# Altium PCB DriverBoard.PcbDoc
Units mm, origin at the board's own origin, x right, y up, seen from the top; angles counter-clockwise.
Board outline 101.75 x 53.5 mm, 4 copper layers (Top Layer, Signal Layer 1, Signal Layer 2, Bottom Layer), stack 1.651 mm thick; 94 components, 76 nets, 338 pads, 125 vias.
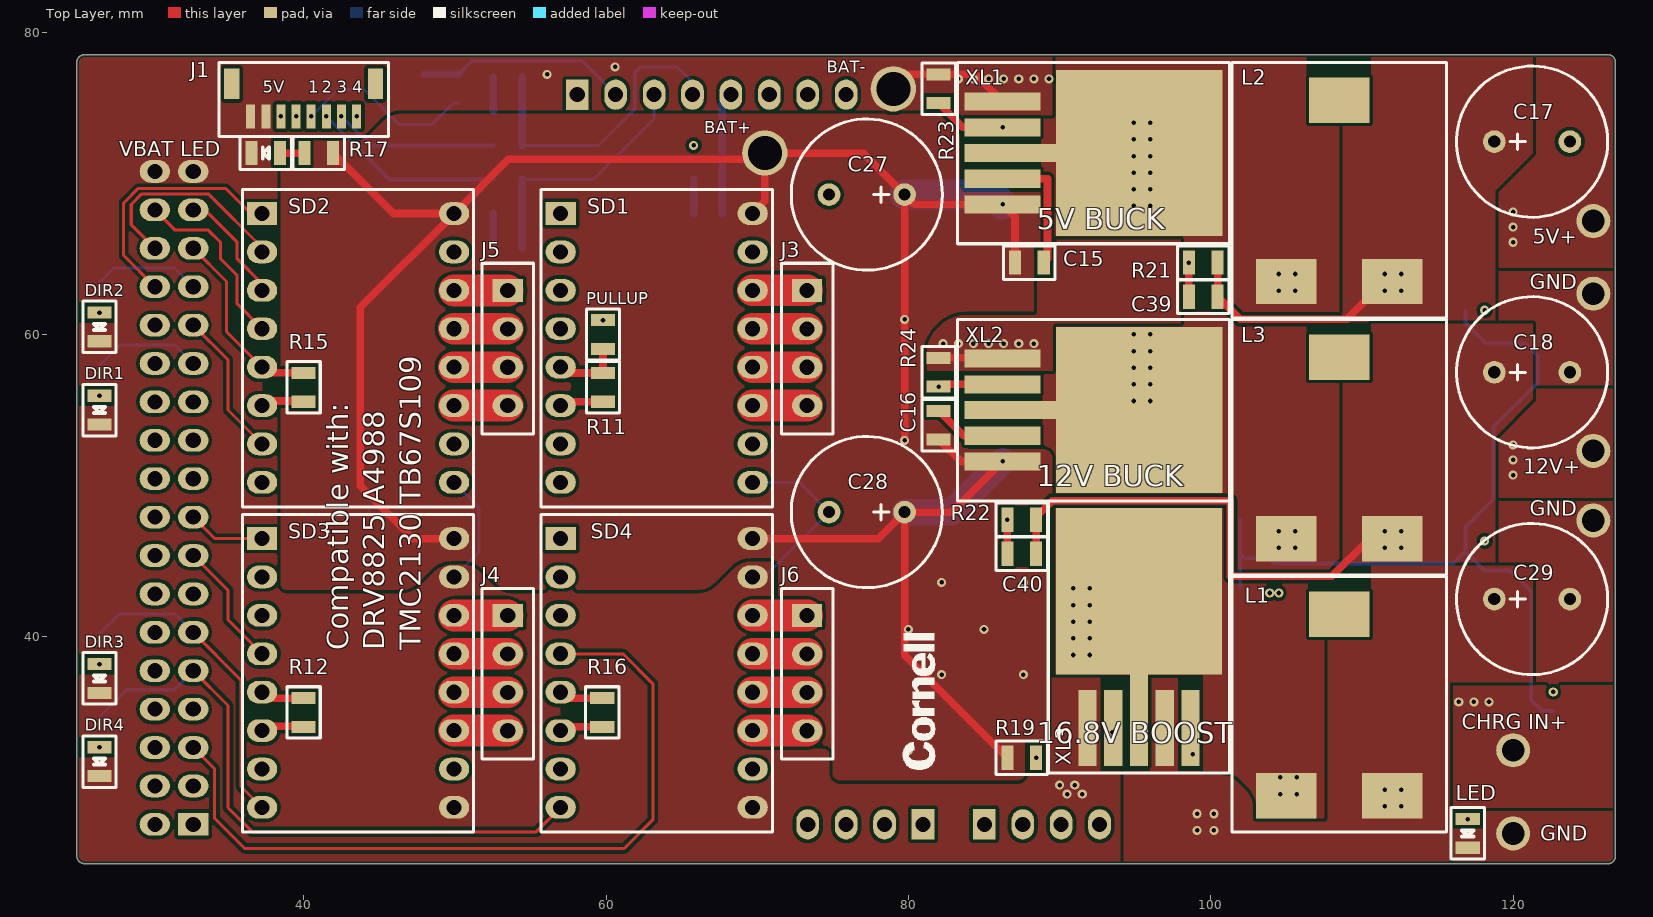
[diagram p0: Top Layer view]
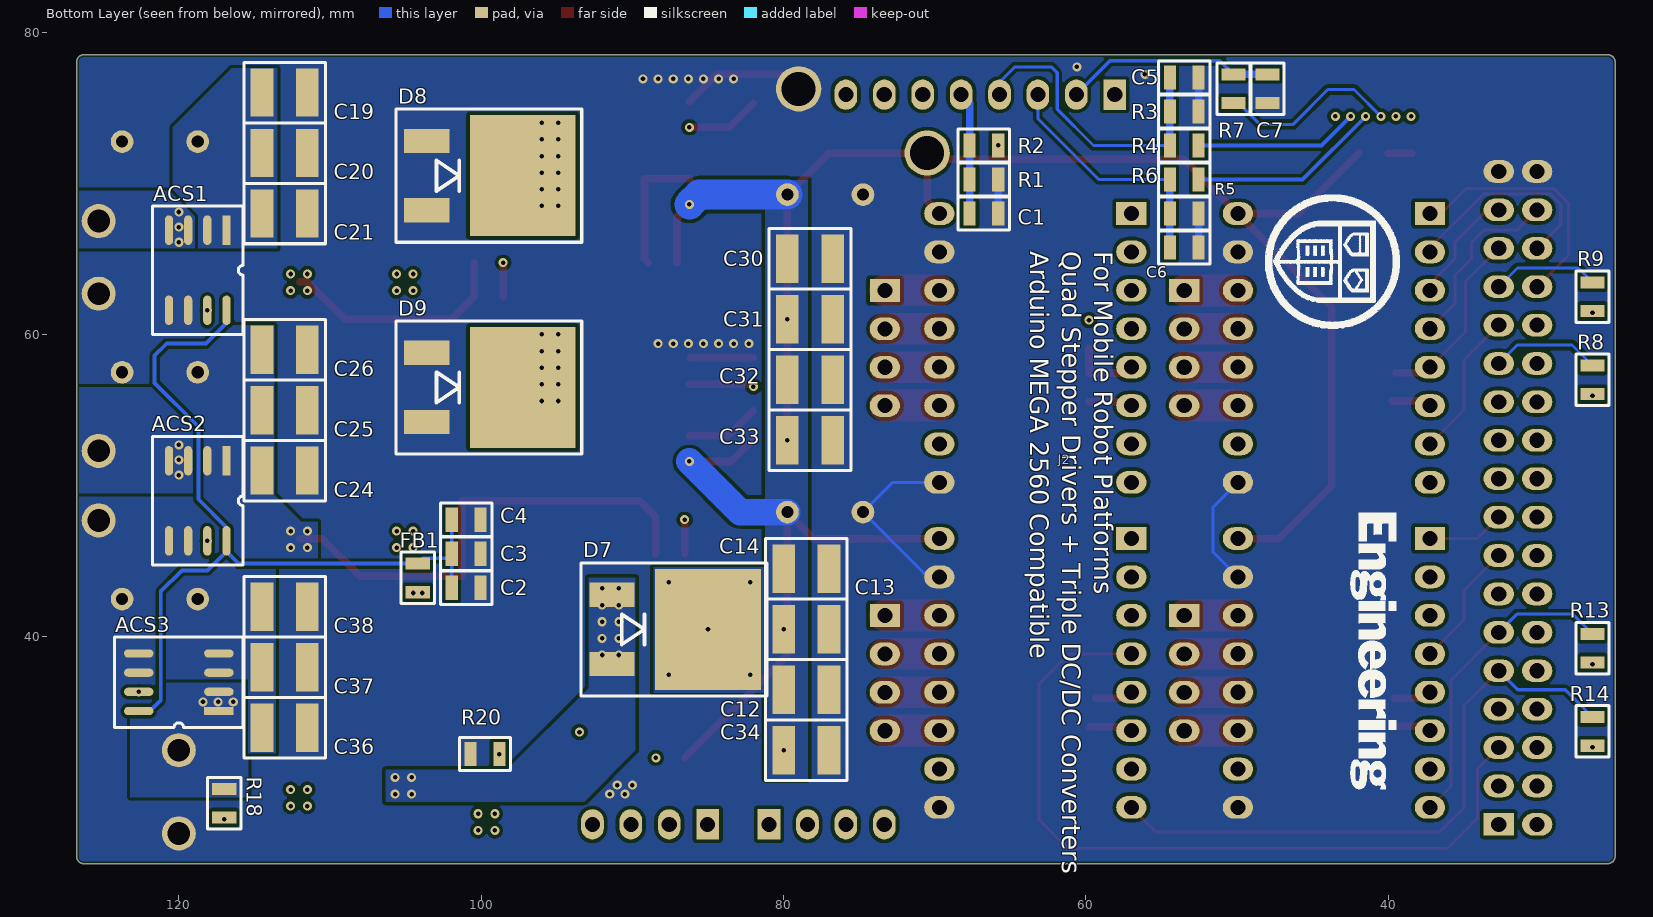
[diagram p1: Bottom Layer view, seen from below]
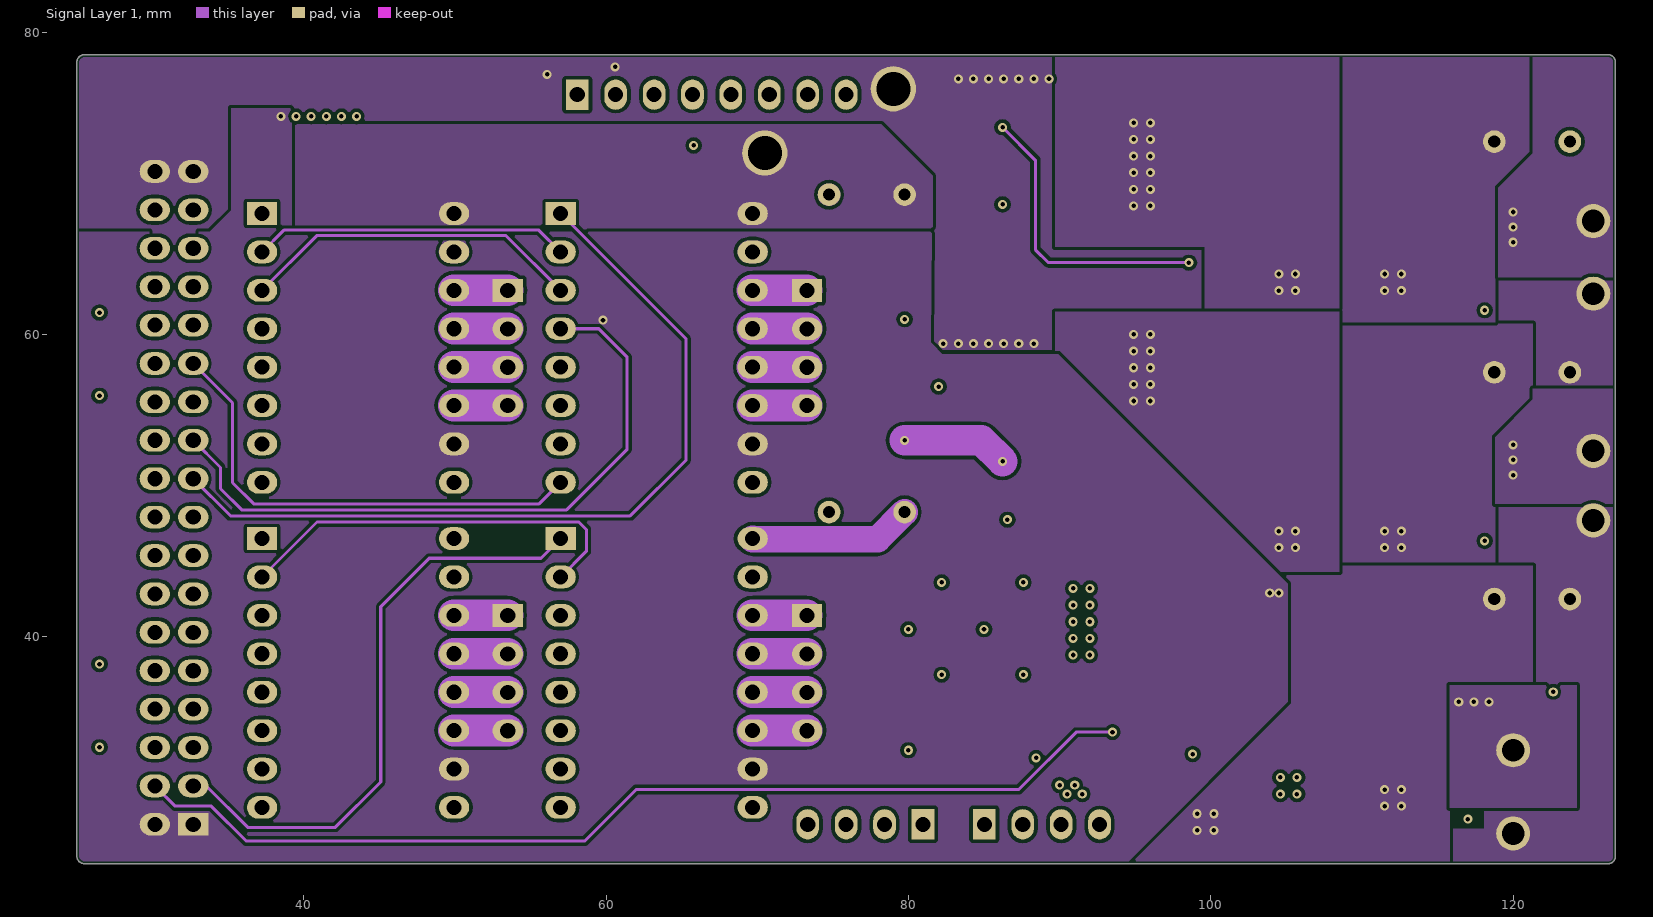
[diagram p2: Signal Layer 1]
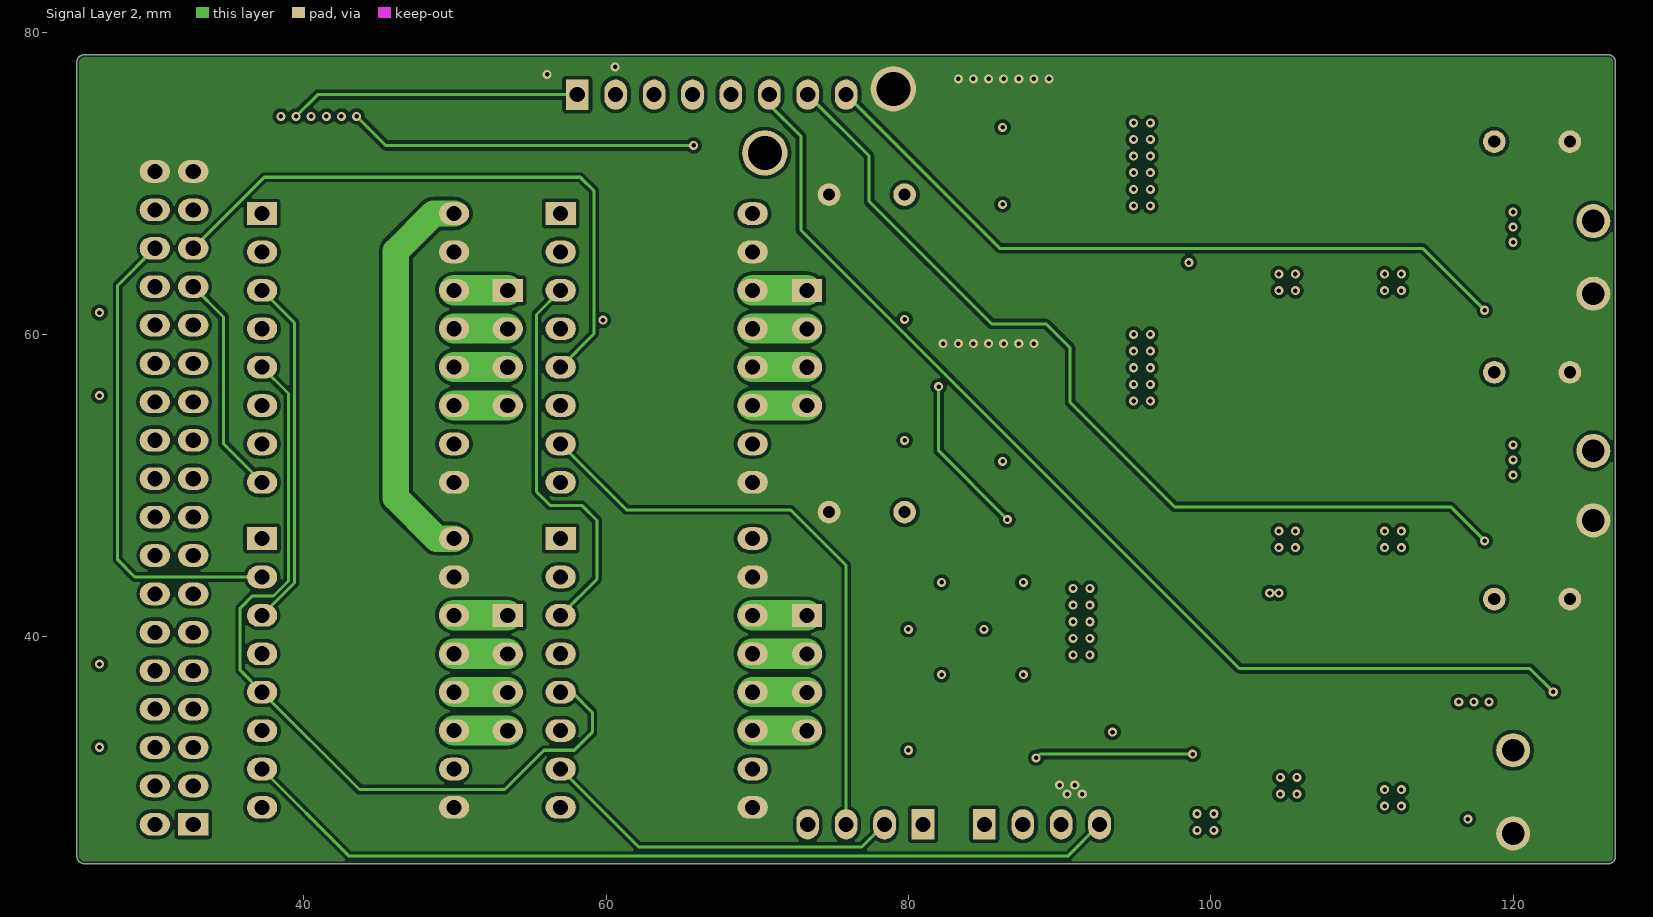
[diagram p3: Signal Layer 2]

## Layer stack, top to bottom
Top Solder: solder mask 0.0102, Solder Resist, Dk 3.5
Top Layer: signal copper 0.0356
Dielectric 1: core 0.254, FR-4, Dk 4.2
Signal Layer 1: signal copper 0.036
Dielectric 3: prepreg 1, Dk 4.2
Signal Layer 2: signal copper 0.036
Dielectric 2: core 0.254, Dk 4.2
Bottom Layer: signal copper 0.0356
Bottom Solder: solder mask 0.0102, Solder Resist, Dk 3.5

## Board outline
25.5,25 126.3,25 ccw(c126.3,25.45) 126.75,25.45 126.75,78.05 ccw(c126.3,78.05) 126.3,78.5 25.5,78.5 ccw(c25.5,78) 25,78 25,25.5 ccw(c25.5,25.5)

## Design rules (kind name [scope] priority, off if disabled: settings)
BoardOutlineClearance [All] p1: gap=0.152 ignorepadtopadclearanceinfootprint=FALSE
Clearance [InPolygon] p1: gap=0.229 ignorepadtopadclearanceinfootprint=FALSE
Clearance Clearance_1 [All] p2: gap=0.165 ignorepadtopadclearanceinfootprint=FALSE
ComponentClearance [All] p1: gap=0 collisioncheckmode=3 verticalgap=0.254 showdistances=FALSE
PolygonConnect [All] p1: connectstyle=Direct reliefconductorwidth=0.254 reliefentries=4 polygonreliefangle="90 Angle" airgapwidth=0.254
RoutingVias [All] p1: holewidth=0.2 width=0.254 viastyle="Through Hole" minholewidth=0.2 minwidth=0.254 maxholewidth=0.711 maxwidth=1.27
SilkToSilkClearance [All] p1: silktosilkclearance=0
SolderMaskExpansion [All] p1: expansion=0.102
Width [All] p1: maxlimit=2.54 minlimit=0.152 preferedwidth=0.178
28 further rules are at their usual default settings.

## Components (designator, comment, footprint, x,y, rotation, side; value= is the part's Value field where it differs from the comment)
5V+ "OUT_TERMINAL" OUTPUT_TERMINALS 125.3,67.5 r0 top (schematic designator OT1)
12V+ "OUT_TERMINAL" OUTPUT_TERMINALS 125.3,52.3 r0 top (schematic designator OT3)
ACS1 "SENSOR CURRENT HALL 10A DC" SOIC_8 118.75,64.25 r270 bottom
ACS2 "SENSOR CURRENT HALL 10A DC" SOIC_8 118.75,49 r270 bottom
ACS3 "SENSOR CURRENT HALL 10A DC" SOIC_8 120,37 r0 bottom
BAT+ "BAT_TERMINAL" BATTERY_TERMINALS 70.5,72 r0 top (schematic designator BT1)
BAT- "BAT_TERMINAL" BATTERY_TERMINALS 79,76.25 r0 top (schematic designator BT2)
C1 "C10uF" C0805 66.75,68 r0 bottom
C2 "0.1uF CAP" C0805 101,43.25 r0 bottom
C3 "1uF/25V" C0805 101,45.5 r0 bottom
C4 "C10uF" C0805 101,47.75 r0 bottom
C5 "C10uF" C0805 53.5,77 r0 bottom
C6 "C10uF" C0805 53.5,65.75 r0 bottom
C7 "C10uF" C0805 48,76.25 r90 bottom
C12 "CAP CER 22UF 25V" C1210 78.5,36.5 r0 bottom
C13 "CAP CER 22UF 25V" C1210 78.5,40.5 r0 bottom
C14 "CAP CER 22UF 25V" C1210 78.5,44.5 r0 bottom
C15 "1uF/25V" C0805 88,64.75 r180 top
C16 "1uF/25V" C0805 82,54 r270 top
C17 "C1mF_Polymer" POLY_CAP_10X21 121.25,72.75 r0 top
C18 "C1mF_Polymer" POLY_CAP_10X21 121.25,57.5 r0 top
C19 "CAP CER 22UF 25V" C1210 113,76 r0 bottom
C20 "CAP CER 22UF 25V" C1210 113,72 r0 bottom
C21 "CAP CER 22UF 25V" C1210 113,68 r0 bottom
C24 "CAP CER 22UF 25V" C1210 113,51 r0 bottom
C25 "CAP CER 22UF 25V" C1210 113,55 r0 bottom
C26 "CAP CER 22UF 25V" C1210 113,59 r0 bottom
C27 "C1mF_Polymer" POLY_CAP_10X21 77.25,69.25 r180 top
C28 "C1mF_Polymer" POLY_CAP_10X21 77.25,48.25 r180 top
C29 "C1mF_Polymer" POLY_CAP_10X21 121.25,42.5 r0 top
C30 "CAP CER 22UF 25V" C1210 78.25,65 r0 bottom
C31 "CAP CER 22UF 25V" C1210 78.25,61 r0 bottom
C32 "CAP CER 22UF 25V" C1210 78.25,57 r0 bottom
C33 "CAP CER 22UF 25V" C1210 78.25,53 r0 bottom
C34 "CAP CER 22UF 25V" C1210 78.5,32.5 r0 bottom
C36 "CAP CER 22UF 25V" C1210 113,34 r0 bottom
C37 "CAP CER 22UF 25V" C1210 113,38 r0 bottom
C38 "CAP CER 22UF 25V" C1210 113,42 r0 bottom
C39 "C 39nF 50V" C0805 99.5,62.5 r0 top
C40 "C 39nF 50V" C0805 87.5,45.5 r0 top
"CHRG IN+" "OUT_TERMINAL" OUTPUT_TERMINALS 120,32.5 r0 top (schematic designator OT5)
D7 "DIODE 45V 10A" TO252_3 87.5,40.5 r270 bottom
D8 "DIODE 45V 10A" TO252_3 99.75,70.5 r270 bottom
D9 "DIODE 45V 10A" TO252_3 99.75,56.5 r270 bottom
DIR1 "LED GREEN" LED_0805 26.5,55 r270 top (schematic designator D1)
DIR2 "LED GREEN" LED_0805 26.5,60.5 r270 top (schematic designator D2)
DIR3 "LED GREEN" LED_0805 26.5,37.25 r270 top (schematic designator D3)
DIR4 "LED GREEN" LED_0805 26.5,31.75 r270 top (schematic designator D4)
FB1 "FERRITE BEAD 120 OHM 0805" FB_0805 104.2,43.9 r270 bottom
GND "OUT_TERMINAL" OUTPUT_TERMINALS 120,27 r0 top (schematic designator OT6)
GND "OUT_TERMINAL" OUTPUT_TERMINALS 125.3,47.7 r0 top (schematic designator OT4)
GND "OUT_TERMINAL" OUTPUT_TERMINALS 125.3,62.7 r0 top (schematic designator OT2)
J1 "JST SH/SR SMT VERT 8POS" JST_SH_8 40,75.5 r90 top
J2 "CONN HEADER .100\" MALE 36POS" DIP36_MALE 32.7,27.6 r0 bottom locked
J3 "CONN HEADER 4 POS MALE" DIP4 73.3,59.1 r0 top
J4 "CONN HEADER 4 POS MALE" DIP4 53.5,37.6 r0 top
J5 "CONN HEADER 4 POS MALE" DIP4 53.5,59.1 r0 top
J6 "CONN HEADER 4 POS MALE" DIP4 73.3,37.6 r0 top
L1 "IND 33UH 5.95A" 13X13X9IND 108.5,35.5 r0 top
L2 "IND 33UH 5.95A" 13X13X9IND 108.5,69.5 r0 top
L3 "IND 33UH 5.95A" 13X13X9IND 108.5,52.5 r0 top
LED "LED RED" LED_0805 117,27 r270 top (schematic designator D6)
PULLUP "1K RES" R0805 59.8,60 r90 top (schematic designator R10)
R1 "R3.3K" R0805 66.75,70.25 r180 bottom
R2 "R10k" R0805 66.75,72.5 r0 bottom
R3 "R10k" R0805 53.5,74.75 r180 bottom
R4 "R20K" R0805 53.5,72.5 r0 bottom
R5 "R10k" R0805 53.5,68 r180 bottom
R6 "R10k" R0805 53.5,70.25 r0 bottom
R7 "R20K" R0805 50.25,76.25 r90 bottom
R8 "1K RES" R0805 26.5,57 r90 bottom
R9 "1K RES" R0805 26.5,62.5 r90 bottom
R11 "0R" R0805 59.8,56.5 r90 top
R12 "0R" R0805 40,35 r90 top
R13 "1K RES" R0805 26.5,39.25 r90 bottom
R14 "1K RES" R0805 26.5,33.75 r90 bottom
R15 "0R" R0805 40,56.5 r90 top
R16 "0R" R0805 59.75,35 r90 top
R17 "R3.3K" R0805 41,72 r0 top
R18 "1K RES" R0805 117,29 r90 bottom
R19 "R20K" R0805 87.5,32 r180 top
R20 "R1.6K" R0805 99.75,32.25 r180 bottom
R21 "R10k" R0805 99.5,64.75 r0 top
R22 "R13K" R0805 87.5,47.75 r0 top
R23 "R3.3K" R0805 82,76.25 r270 top
R24 "R1.5K" R0805 82,57.5 r270 top
SD1 "Stepper Driver" DIP16_STEPPER 57,68 r0 top
SD2 "Stepper Driver" DIP16_STEPPER 37.25,68 r0 top
SD3 "Stepper Driver" DIP16_STEPPER 37.25,46.5 r0 top
SD4 "Stepper Driver" DIP16_STEPPER 57,46.5 r0 top
"VBAT LED" "LED RED" LED_0805 37.5,72 r180 top (schematic designator D5)
XL1 "XL4015 Buck Converter" TO263-5L 90.75,72 r270 top
XL2 "XL4015 Buck Converter" TO263-5L 90.75,55 r270 top
XL3 "XL6019 Boost Converter" TO263-5L 95.25,38.5 r0 top

## Footprints (in the part's own frame and the unit in brackets; to place one, negate y for a bottom-side part, rotate by r counter-clockwise, add the part's x,y. Pads: shape width x height; smd on the part's side, far side on the other; paste and mask are expansions set on the pad)
13X13X9IND [mm]
  rect 4x3 smd: 1(-3.5,-6) 2(3.5,-6) ""(0,6)
  silkscreen extent -7.1,-8.4 7.1,8.5, body extent -6.75,-6.75 6.75,6.75, height 9.01
BATTERY_TERMINALS [mm]
  round 3 hole 2.25: 1(0,0)
C0805 [mm]
  rect 0.8x1.6 smd: 1(-0.95,0) 2(0.95,0)
  silkscreen extent -1.7,-1.1 1.7,1.1, body extent -1.1,-0.73 1.1,0.72, height 1.4
C1210 [mm]
  rect 1.5x3.2 smd: 1(-1.5,0) 2(1.5,0)
  silkscreen extent -2.7,-2 2.7,2, body extent -1.7,-1.35 1.7,1.35, height 2.11
DIP4 [mm]
  rect 2x1.5 hole 1: 1(0,3.81)
  oval 2x1.5 hole 1: 2(0,1.27) 3(0,-1.27) 4(0,-3.81)
  silkscreen extent -1.7,-5.69 1.7,5.61, body extent -1.27,-5.08 1.27,5.08, height 8.55
DIP16_STEPPER [mm]
  rect 2x1.5 hole 1: 1(0,0)
  oval 2x1.5 hole 1: 2(0,-2.54) 3(0,-5.08) 4(0,-7.62) 5(0,-10.16) 6(0,-12.7) 7(0,-15.24) 8(0,-17.78) 9(12.7,-17.78) 10(12.7,-15.24) 11(12.7,-12.7) 12(12.7,-10.16) 13(12.7,-7.62) 14(12.7,-5.08) 15(12.7,-2.54) 16(12.7,0)
  silkscreen extent -1.3,-19.4 14,1.6, body extent -1.27,-19.3 13.97,1.52, height 21.29
DIP36_MALE [mm]
  oval 1.5x2 hole 1: 4(40.64,0) 5(43.18,0) 6(45.72,0) 9(54.864,0) 10(57.404,0) 11(59.944,0) 54(43.18,-48.26) 55(40.64,-48.26) 56(38.1,-48.26) 57(35.56,-48.26) 58(33.02,-48.26) 59(30.48,-48.26) 60(27.94,-48.26)
  rect 2x1.5 hole 1: 5V1(0,0)
  oval 2x1.5 hole 1: 5V2(-2.54,0) 22(0,-2.54) 23(-2.54,-2.54) 24(0,-5.08) 25(-2.54,-5.08) 26(0,-7.62) 27(-2.54,-7.62) 28(0,-10.16) 29(-2.54,-10.16) 30(0,-12.7) 31(-2.54,-12.7) 32(0,-15.24) 33(-2.54,-15.24) 34(0,-17.78) 35(-2.54,-17.78) 36(0,-20.32) 37(-2.54,-20.32) 38(0,-22.86) 39(-2.54,-22.86) 40(0,-25.4) 41(-2.54,-25.4) 42(0,-27.94) 43(-2.54,-27.94) 44(0,-30.48) 45(-2.54,-30.48) 46(0,-33.02) 47(-2.54,-33.02) 48(0,-35.56) 49(-2.54,-35.56) 50(0,-38.1) 51(-2.54,-38.1) 52(0,-40.64) 53(-2.54,-40.64) GND1(0,-43.18) GND2(-2.54,-43.18)
  rect 1.5x2 hole 1: 7(48.26,0) 8(52.324,0) 61(25.4,-48.26)
  body extent -7.67,-50.76 93.93,2.58, height 13.2
FB_0805 [mm]
  rect 0.8x1.6 smd: 1(-0.95,0) 2(0.95,0)
  silkscreen extent -1.7,-1.1 1.7,1.1, body extent -1,-0.6 1,0.6, height 0.91
JST_SH_8 [mm]
  rect 1.6x0.6 smd: 1(-1.075,3.5) 2(-1.075,2.5) 3(-1.075,1.5) 4(-1.075,0.5) 5(-1.075,-0.5) 6(-1.075,-1.5) 7(-1.075,-2.5) 8(-1.075,-3.5)
  rect 2x1 smd: ""(1.075,4.75) ""(1.075,-4.75)
  silkscreen extent -2.4,-5.6 2.5,5.6, body extent -1.7,-5 1.9,5, height 4.36
LED_0805 [mm]
  rect 0.8x1.6 smd: +(-0.95,0) -(0.95,0)
  silkscreen extent -1.7,-1.1 1.7,1.1, body extent -1.01,-0.63 1.01,0.62, height 1.1
OUTPUT_TERMINALS [mm]
  round 2.25 hole 1.5: 1(0,0)
POLY_CAP_10X21 [mm]
  round 1.5 hole 0.8: 1(-2.5,0) 2(2.5,0)
  silkscreen extent -5,-5 5,5, body extent -5,-5 5.01,5, height 21.53
R0805 [mm]
  rect 0.8x1.6 smd: 1(-0.95,0) 2(0.95,0)
  silkscreen extent -1.7,-1.1 1.7,1.1, body extent -1,-0.62 1,0.62, height 0.61
SOIC_8 [mm]
  rect 1.95x0.55 smd: 1(-2.65,1.905)
  oval 1.95x0.55 smd: 2(-2.65,0.635) 3(-2.65,-0.635) 4(-2.65,-1.905) 5(2.65,-1.905) 6(2.65,-0.635) 7(2.65,0.635) 8(2.65,1.905)
  silkscreen extent -4.25,-3 4.25,3, body extent -3,-2.45 3,2.45, height 1.75
TO252_3 [mm]
  rect 1.6x3 smd: 1(-2.29,-3.85) 1(2.29,-3.85)
  rect 8x7 smd: 2(0,2.5)
  silkscreen extent -4.4,-5.9 4.4,6.4, body extent -3.37,-4.7 3.37,5.4, height 2.41
TO263-5L [mm]
  rect 1.2x5 smd: 1(-3.4,-4.525) 2(-1.7,-4.525) 4(1.7,-4.525) 5(3.4,-4.525)
  rect 11x11 smd: 3(0,4.525)
  rect 1.2x8 smd: 3(0,-3.025)
  silkscreen extent -6,-7.5 6,10.5, body extent -5,-6.49 5,9.18, height 4.81

## Part data
ACS1 ACS2 ACS3: library part ACS723LLCTR-10AU-T, Current - Sensing=10A, Current - Supply (Max)=14mA, Frequency="DC ~ 80kHz", Manufacturer="Allegro MicroSystems", Operating Temperature="-40°C ~ 150°C", Package / Case="8-SOIC (0.154\", 3.90mm Width)", Supplier Part Number 1=620-1643-1-ND, Voltage - Supply=5V, Accuracy=±3%, Category="Sensors, Transducers", ComponentLink1Description=http://www.allegromicro.com/~/media/Files/Datasheets/ACS723-Datasheet.ashx?src-supplier=Digi-Key, ComponentLink1URL=http://www.allegromicro.com/~/media/Files/Datasheets/ACS723-Datasheet.ashx?src-supplier=Digi-Key, ComponentLink2Description=https://www.allegromicro.com/~/media/Files/Datasheets/ACS723-Datasheet.ashx?src-supplier=Digi-Key, ComponentLink2URL=https://www.allegromicro.com/~/media/Files/Datasheets/ACS723-Datasheet.ashx?src-supplier=Digi-Key, Family="Current Transducers", For Measuring=DC, Linearity=±1%, Manufacturer Part Number=ACS723LLCTR-10AU-T, Mounting Type="Surface Mount", Number of Channels=1, Output="Ratiometric, Voltage", Packaging="Tape & Reel (TR)", Polarization=Unidirectional, Pricing 1="1=5.27, 5=4.654, 10=4.11, 25=3.3348, 50=2.947, 100=2.8694, 500=2.4041, 1000=2.249 (USD)", Response Time=5μs, Sensitivity=400mV/A, Sensor Type="Hall Effect, Open Loop", Series=-, Stock 1=1781, Supplier 1=Digi-Key
C1 C4 C5 C6 C7: library part CL21A106KPFNNNG, "Cap Ceramic 10uF 10V X5R 10% SMD 0805 85C Embossed T/R", Capacitance=10uF, Case/Package=0805, Case Code (Metric)=2012, Dielectric=X5R, Manufacturer=Samsung, Max Operating Temperature=85°C, Min Operating Temperature=-55°C, Package Quantity=3000, Supplier Part Number 1=1276-6456-1-ND, Tolerance=10%, Voltage=10V, Case Code (Imperial)=0805, ComponentLink1Description=http://www1.futureelectronics.com/doc/SAMSUNG/CL21A106KPFNNNG.pdf?src-supplier=Future+Electronics, ComponentLink1URL=http://www1.futureelectronics.com/doc/SAMSUNG/CL21A106KPFNNNG.pdf?src-supplier=Future+Electronics, ComponentLink2Description=https://www.verical.com/server-webapp/html/getDatasheet?partID=640497&src-supplier=Verical, ComponentLink2URL=https://www.verical.com/server-webapp/html/getDatasheet?partID=640497&src-supplier=Verical, Depth=1.25mm, Height=1.25mm, Lead Free="Lead Free", Length=2mm, Manufacturer Part Number=CL21A106KPFNNNG, Mount="Surface Mount", Packaging="Tape and Reel", Pricing 1="1=0.14, 10=0.1, 100=0.0469, 500=0.0329, 1000=0.0272 (USD)", Radiation Hardening=No, Stock 1=184536, Supplier 1=Digi-Key, Termination=Wraparound, Thickness=0.053inch, Voltage Rating=10V, Width=0.049inch
C2: library part CL21F104ZBCNNNC, "Cap Ceramic 0.1uF 50V Y5V -20% to 80% SMD 0805 85C Paper T/R", Capacitance=100nF, Case/Package=0805, Case Code (Metric)=2012, Dielectric=Y5V, Manufacturer=Samsung, Max Operating Temperature=85°C, Min Operating Temperature=-30°C, Package Quantity=1, Supplier Part Number 1=1276-1007-1-ND, Tolerance=80%, Voltage Rating=50V, Case Code (Imperial)=0805, ComponentLink1Description=https://www.verical.com/server-webapp/html/getDatasheet?partID=466953&src-supplier=Verical, ComponentLink1URL=https://www.verical.com/server-webapp/html/getDatasheet?partID=466953&src-supplier=Verical, ComponentLink2Description=https://produktinfo.conrad.com/datenblaetter/450000-474999/454191-da-01-en-VS_KONDENSATOR_0805.pdf?src-supplier=Conrad, ComponentLink2URL=https://produktinfo.conrad.com/datenblaetter/450000-474999/454191-da-01-en-VS_KONDENSATOR_0805.pdf?src-supplier=Conrad, Depth=1.25mm, Height=0.85mm, Length=2mm, Manufacturer Part Number=CL21F104ZBCNNNC, Material=Ceramic, Mount="Surface Mount", Packaging="Tape and Reel", Pricing 1="1=0.1, 10=0.044, 100=0.0195, 500=0.0139, 1000=0.0109 (USD)", Radiation Hardening=No, Stock 1=5269056, Supplier 1=Digi-Key, Thickness=0.037inch, Width=0.049inch
C3 C15 C16: library part C2012X5R1E105K125AA, "CAP CER 1UF 25V X5R 0805", Manufacturer="TDK Corporation", Operating Temperature="-55°C ~ 85°C", Package / Case="0805 (2012 Metric)", Ratings=-, Supplier Part Number 1=445-1419-1-ND, Temperature Coefficient=X5R, Tolerance=±10%, Voltage - Rated=25V, Applications="General Purpose", Category=Capacitors, ComponentLink1Description=https://product.tdk.com/info/en/catalog/datasheets/mlcc_commercial_general_en.pdf, ComponentLink1URL=https://product.tdk.com/info/en/catalog/datasheets/mlcc_commercial_general_en.pdf, Failure Rate=-, Features="Low ESL", Height - Seated (Max)=-, Lead Spacing=-, Lead Style=-, Manufacturer Part Number=C2012X5R1E105K125AA, Mounting Type="Surface Mount, MLCC", Notification="Current market demand for these product types have resulted in fluctuating and extending lead times. Lead times may differ.", Packaging="Cut Tape (CT)", Part Status="Not For New Designs", Pricing 1="1=0.18, 10=0.129, 100=0.0605, 500=0.04244, 1000=0.03514 (USD)", RoHS="RoHS Compliant", Size / Dimension="0.079\" L x 0.049\" W (2.00mm x 1.25mm)", Stock 1=774565, Supplier 1=Digi-Key, Thickness (Max)="0.057\" (1.45mm)"
C12 C13 C14 C19 C20 C21 C24 C25 C26 C30 C31 C32 C33 C34 C36 C37 C38: library part CL32A226MAJNNNE, "CAP CER 22UF 25V X5R 1210", Capacitance=22μF, Manufacturer=Samsung, Operating Temperature="-55°C ~ 85°C", Package / Case="1210 (3225 Metric)", Ratings=-, Standard Package=1,000, Supplier Part Number 1=1276-3373-1-ND, Temperature Coefficient=X5R, Tolerance=±20%, Voltage - Rated=25V, Applications="General Purpose", Category=Capacitors, ComponentLink1Description=http://www.samsungsem.com/kr/support/product-search/mlcc/CL32A226MAJNNNE.jsp?src-supplier=Digi-Key, ComponentLink1URL=http://www.samsungsem.com/kr/support/product-search/mlcc/CL32A226MAJNNNE.jsp?src-supplier=Digi-Key, Family="Ceramic Capacitors", Featured Product="Multi-Layer Ceramic Capacitors", Features=-, Height - Seated (Max)=-, Lead Spacing=-, Lead Style=-, Manufacturer Part Number=CL32A226MAJNNNE, Mounting Type="Surface Mount, MLCC", Online Catalog="CL Series, High Capacitance", Other Names=1276-3373-2, Packaging="Tape & Reel (TR)", Pricing 1="1=0.58, 10=0.412, 100=0.2715, 500=0.2011 (USD)", Product Training Modules="High Cap MLCC Family", RoHS Information="MLCC RoHS 2 Compliance", Series=CL, Size / Dimension="0.126\" L x 0.098\" W (3.20mm x 2.50mm)", Stock 1=57875, Supplier 1=Digi-Key, Thickness (Max)="0.106\" (2.70mm)"
C17 C18 C27 C28 C29: library part APSG200ELL681MJB5S, "Cap Aluminum Polymer 680uF 20VDC 20% (10 X 11.5mm) Radial 5mm 0.012 Ohm 5400mA 2000h 105C Bulk", Capacitance=680μF, ESR (Equivalent Series Resistance)=-, Lifetime @ Temp.="15000 Hrs @ 105°C", Manufacturer="United Chemi-Con", Operating Temperature="-55°C ~ 105°C", Package / Case="Radial, Can", Standard Package=500, Supplier Part Number 1=565-3623-ND, Tolerance=±20%, Voltage Rating=20V, Applications=-, Category=Capacitors, Family="Aluminum - Polymer Capacitors", Featured Product="Chemi-Con / PSG Series", Height - Seated (Max)="0.512\" (13.00mm)", Impedance=-, Lead Spacing="0.197\" (5.00mm)", Manufacturer Part Number=APSG200ELL681MJB5S, Mounting Type="Through Hole", Online Catalog="NPCAP? PSG Series", Other Names="565-3623 APSG200ELL681MJB5S-ND", Packaging="Bulk? ?", Pricing 1="1=2.14, 10=1.73, 100=1.3209, 500=1.0064, 1000=0.8806, 2500=0.8554 (USD)", Ripple Current=-, Series=NPCAP?-PSG, Size / Dimension="0.394\" Dia (10.00mm)", Stock 1=499, Supplier 1=Digi-Key, Surface Mount Land Size=-, Type=Polymer
C39 C40: library part C0805C393K5RACTU, "Multilayer Ceramic Capacitors 50volts 39000pF X7R 10%", Capacitance Value="0.039 uF", Dielectric=X7R, Manufacturer=KEMET, Operating Temperature="-55 to 125 °C", Package/Case=0805, Supplier Part Number 1=399-8076-1-ND, Tolerance="10 %", Voltage="50 Vdc", Category="Capacitor Ceramic Multilayer", ComponentLink1Description=http://www.mouser.com/ds/2/212/KEM_C1002_X7R_SMD-1102033.pdf?src-supplier=Mouser, ComponentLink1URL=http://www.mouser.com/ds/2/212/KEM_C1002_X7R_SMD-1102033.pdf?src-supplier=Mouser, Construction=Flat, Manufacturer Part Number=C0805C393K5RACTU, Mounting="Surface Mount", Pricing 1="1=0.23, 10=0.155, 100=0.0784, 500=0.0536, 1000=0.0474 (USD)", Product Depth="1.25 mm", Product Height="0.78 mm", Product Length="2 mm", Stock 1=17723, Supplier 1=Digi-Key
D7 D8 D9: library part MBRD1045T4G, "DIODE SCHOTTKY 45V 10A DPAK", Capacitance @ Vr, F=-, Current - Average Rectified (Io)=10A, Current - Reverse Leakage @ Vr="100μA @ 45V", Manufacturer="ON Semiconductor", Operating Temperature - Junction="-65°C ~ 175°C", Package / Case="TO-252-3, DPak (2 Leads + Tab), SC-63", Standard Package=1, Supplier Device Package=DPAK, Supplier Part Number 1=MBRD1045T4GOSCT-ND, Voltage - DC Reverse (Vr) (Max)=45V, Voltage - Forward (Vf) (Max) @ If="840mV @ 20A", Category="Discrete Semiconductor Products", ComponentLink1Description=http://www.onsemi.cn/pub_link/Collateral/MBRB1045-D.PDF?src-supplier=Avnet, ComponentLink1URL=http://www.onsemi.cn/pub_link/Collateral/MBRB1045-D.PDF?src-supplier=Avnet, ComponentLink2Description=http://uk.rs-online.com/webdocs/1221/0900766b812212c8.pdf?src-supplier=RSComponents, ComponentLink2URL=http://uk.rs-online.com/webdocs/1221/0900766b812212c8.pdf?src-supplier=RSComponents, ComponentLink3Description=http://www.onsemi.com/pub/Collateral/MBRB1045-D.PDF?src-supplier=Future+Electronics, ComponentLink3URL=http://www.onsemi.com/pub/Collateral/MBRB1045-D.PDF?src-supplier=Future+Electronics, ComponentLink4Description=http://www.onsemi.com/pub/Collateral/MBRB1045-D.PDF?src-supplier=Digi-Key, ComponentLink4URL=http://www.onsemi.com/pub/Collateral/MBRB1045-D.PDF?src-supplier=Digi-Key, ComponentLink5Description=http://www.onsemi.cn/pub_link/Collateral/MBRB1045-D.PDF?src-supplier=Avnet+Europe, ComponentLink5URL=http://www.onsemi.cn/pub_link/Collateral/MBRB1045-D.PDF?src-supplier=Avnet+Europe, ComponentLink6Description=http://datasheet.iiic.cc/on_semiconductor/MBRD1045T4G.pdf?src-supplier=IIIC, ComponentLink6URL=http://datasheet.iiic.cc/on_semiconductor/MBRD1045T4G.pdf?src-supplier=IIIC, Diode Type=Schottky, Family="Diodes, Rectifiers - Single", Manufacturer Part Number=MBRD1045T4G, Mounting Type="Surface Mount", Online Catalog="Schottky Diode", Other Names=MBRD1045T4GOSDKR, Packaging="Digi-Reel?? ?", PCN Assembly/Origin="Qualification Assembly/Test Site 13/Mar/2014", Pricing 1="1=0.72, 10=0.631, 100=0.4299, 500=0.3592, 1000=0.3057 (USD)", Reverse Recovery Time (trr)=-, Series=SWITCHMODE?, Speed="Fast Recovery =  200mA (Io)", Stock 1=4441, Supplier 1=Digi-Key
DIR1 DIR2 DIR3 DIR4: library part LTST-C171GKT, "LED GREEN CLEAR CHIP SMD", Case/Package=0805, Case Code (Metric)=2012, Color=Green, Forward Current=30mA, Forward Voltage=2.1V, Lens Color=Colorless, Manufacturer="Vishay Lite-On", Max Operating Temperature=85°C, Min Operating Temperature=-55°C, Package Quantity=1, Power Dissipation=100mW, Reverse Voltage=5V, Supplier Part Number 1=160-1423-1-ND, Test Current=10mA, Case Code (Imperial)=0805, ComponentLink1Description=https://media.digikey.com/pdf/Data%20Sheets/Lite-On%20PDFs/LTST-C171GKT.pdf?src-supplier=Digi-Key, ComponentLink1URL=https://media.digikey.com/pdf/Data%20Sheets/Lite-On%20PDFs/LTST-C171GKT.pdf?src-supplier=Digi-Key, ComponentLink2Description=http://www1.futureelectronics.com/doc/LITE-ON/LTST-C171GKT.pdf?src-supplier=Future+Electronics, ComponentLink2URL=http://www1.futureelectronics.com/doc/LITE-ON/LTST-C171GKT.pdf?src-supplier=Future+Electronics, ComponentLink3Description=http://uk.rs-online.com/webdocs/0dc0/0900766b80dc0296.pdf?src-supplier=RSComponents, ComponentLink3URL=http://uk.rs-online.com/webdocs/0dc0/0900766b80dc0296.pdf?src-supplier=RSComponents, ComponentLink4Description=http://www.mouser.com/ds/2/239/Lite-On-LTST-C171GKT-190133.pdf?src-supplier=Mouser, ComponentLink4URL=http://www.mouser.com/ds/2/239/Lite-On-LTST-C171GKT-190133.pdf?src-supplier=Mouser, Depth=1.25mm, Dominant Wavelength=569nm, Height=0.8mm, Illumination Color=Green, Lead Free="Lead Free", Length=2mm, Lens Style=Diffused,Colorless,Rectangular,Clear, Lens Transparency=Clear, Luminous Intensity=12mcd, Manufacturer Part Number=LTST-C171GKT, Mount="Surface Mount", Number of Elements=1, Number of LEDs=1, Number of Pins=2, Packaging="Tape and Reel", Power Rating=100mW, Pricing 1="1=0.29, 10=0.211, 25=0.1556, 100=0.1111, 250=0.0756, 500=0.0667, 1000=0.0522 (USD)", Radiation Hardening=No, Stock 1=262269, Supplier 1=Digi-Key, Viewing Angle=130°, Wavelength=585nm, Width=1.25mm
FB1: library part 742792023, "FERRITE BEAD 120 OHM 0805 1LN", Case/Package=SMD/SMT, Case Code (Imperial)=0805, Case Code (Metric)=2012, Current Rating=3A, DC Resistance (DCR)=30mR, Inductance=1H, Manufacturer="Wurth Electronics", Max Operating Temperature=125°C, Min Operating Temperature=-55°C, Package Quantity=1, Supplier Part Number 1=732-1613-1-ND, Test Frequency=100MHz, Tolerance=25%, ComponentLink1Description=https://katalog.we-online.de/pbs/datasheet/742792023.pdf?src-supplier=Digi-Key, ComponentLink1URL=https://katalog.we-online.de/pbs/datasheet/742792023.pdf?src-supplier=Digi-Key, ComponentLink2Description=http://www.farnell.com/datasheets/1695980.pdf?src-supplier=Element14, ComponentLink2URL=http://www.farnell.com/datasheets/1695980.pdf?src-supplier=Element14, ComponentLink3Description=http://www.farnell.com/datasheets/1919974.pdf?src-supplier=Newark, ComponentLink3URL=http://www.farnell.com/datasheets/1919974.pdf?src-supplier=Newark, ComponentLink4Description=http://documents.rs-components.com/techlib://itc_doclist_GB.htm?stockno=3586771&src-supplier=RSComponents, ComponentLink4URL=http://documents.rs-components.com/techlib://itc_doclist_GB.htm?stockno=3586771&src-supplier=RSComponents, ComponentLink5Description=http://www.mouser.com/ds/2/445/742792023-537937.pdf?src-supplier=Mouser, ComponentLink5URL=http://www.mouser.com/ds/2/445/742792023-537937.pdf?src-supplier=Mouser, ComponentLink6Description=http://www.produktinfo.conrad.com/datenblaetter/1000000-1099999/001086956-da-01-ml-WE_CBF_SMD_FERRIT_742792023_de_en.pdf?src-supplier=Conrad, ComponentLink6URL=http://www.produktinfo.conrad.com/datenblaetter/1000000-1099999/001086956-da-01-ml-WE_CBF_SMD_FERRIT_742792023_de_en.pdf?src-supplier=Conrad, Core Material=Ferrite, Depth=1.2mm, Height=0.9mm, Impedance=120R, Lead Free="Lead Free", Length=2mm, Manufacturer Part Number=742792023, Max Current Rating=3A, Max DC Current=3A, Mount="Surface Mount", Number of Lines=1, Packaging="Tape and Reel", Pricing 1="1=0.22, 50=0.21, 100=0.193, 500=0.185, 1000=0.176, 2000=0.168 (USD)", REACH SVHC=Unknown, Shielding=Unshielded, Stock 1=64621, Supplier 1=Digi-Key, Termination=SMD/SMT, Weight=0.000388oz, Width=0.047inch
J1: library part 08SR-3S, "CONN RCPT SR 8 POS 1.0MM TIN", Color=Natural, Manufacturer=JST, Supplier Part Number 1=455-2189-ND, Cable Termination=IDC, Category="Connectors, Interconnects", ComponentLink1Description=http://www.jst-mfg.com/product/pdf/eng/eSR.pdf?src-supplier=Digi-Key, ComponentLink1URL=http://www.jst-mfg.com/product/pdf/eng/eSR.pdf?src-supplier=Digi-Key, Connector Type=Receptacle, Contact Finish=Tin, Contact Finish Thickness=-, Contact Type="Female Socket", Family="Rectangular Connectors - Free Hanging, Panel Mount", Fastening Type=-, Features="Closed End", Manufacturer Part Number=08SR-3S, Mounting Type="Free Hanging (In-Line)", Number of Positions=8, Number of Rows=1, Packaging=Bulk, Pitch="0.039\" (1.00mm)", Pricing 1="1=0.55, 10=0.512, 25=0.4612, 50=0.4098, 100=0.3928, 250=0.3586, 500=0.3416, 1000=0.2818, 2500=0.2562 (USD)", Row Spacing=-, Series=SR, Stock 1=1705, Supplier 1=Digi-Key, Wire Gauge="30 AWG", Wire Type=Discrete
J2: library part PREC018DAAN-RC, "CONN HEADER .100\" DUAL STR 36POS", Color=Black, Manufacturer=Sullins, Standard Package=1, Supplier Part Number 1=S2012EC-18-ND, Category="Connectors, Interconnects", ComponentLink1Description=https://drawings-pdf.s3.amazonaws.com/11636.pdf?src-supplier=Digi-Key, ComponentLink1URL=https://drawings-pdf.s3.amazonaws.com/11636.pdf?src-supplier=Digi-Key, Connector Type="Header, Unshrouded, Breakaway", Contact Finish=Tin, Contact Finish Thickness=-, Contact Mating Length="0.230\" (5.84mm)", Contact Type="Male Pin", Family="Rectangular Connectors - Headers, Male Pins", Fastening Type=-, Features=-, Manufacturer Part Number=PREC018DAAN-RC, Mounting Type="Through Hole", Number of Positions=36, Number of Positions Loaded=All, Number of Rows=2, Online Catalog="0.100\" (2.54mm) Pitch Connector Headers", Other Names="S9500E-18  S9500E-18-ND", Packaging=Bulk, Pitch="0.100\" (2.54mm)", Pricing 1="1=0.69, 10=0.643, 25=0.5788, 50=0.5146, 100=0.4931, 250=0.4502, 500=0.4288 (USD)", Row Spacing="0.100\" (2.54mm)", Series=-, Stock 1=154, Supplier 1=Digi-Key, Termination=Solder
J3 J4 J5 J6: library part PREC004SAAN-RC, "CONN HEADER VERT 4POS 2.54MM", Color=Black, Manufacturer=Sullins, Standard Package=1, Supplier Part Number 1=S1012EC-04-ND, Category="Connectors, Interconnects", ComponentLink1Description=https://media.digikey.com/PDF/Data%20Sheets/Sullins%20PDFs/z%20RzCzzzSzzN-RC,%20ST,11635-B.pdf?src-supplier=Digi-Key, ComponentLink1URL=https://media.digikey.com/PDF/Data%20Sheets/Sullins%20PDFs/z%20RzCzzzSzzN-RC,%20ST,11635-B.pdf?src-supplier=Digi-Key, Connector Type="Header, Unshrouded, Breakaway", Contact Finish=Tin, Contact Finish Thickness=-, Contact Mating Length="0.230\" (5.84mm)", Contact Type="Male Pin", Family="Rectangular Connectors - Headers, Male Pins", Fastening Type=-, Features=-, Manufacturer Part Number=PREC004SAAN-RC, Mounting Type="Through Hole", Number of Positions=4, Number of Positions Loaded=All, Number of Rows=1, Online Catalog="0.100\" (2.54mm) Pitch Connector Headers", Other Names="S9499E-04  S9499E-04-ND", Packaging=Bulk, Pitch="0.100\" (2.54mm)", Pricing 1="1=0.12, 10=0.112, 25=0.0832, 50=0.0712, 100=0.0689, 250=0.0594, 500=0.057 (USD)", Row Spacing=-, Series=-, Stock 1=2480, Supplier 1=Digi-Key, Termination=Solder
L1 L2 L3: library part SER1390-333MLD, "COILCRAFT   SER1390-333MLD   INDUCTOR, 33UH, 5.95A, 20%, 15.7MHZ,REEL", DC Current Rating=5.95A, DC Resistance Max=0.0231ohm, Inductance=33μH, Inductance Tolerance="± 20%", Inductor Case Style=SMD, Manufacturer=Coilcraft, Self Resonant Frequency=15.7MHz, Supplier Part Number 1=994-SER1390-333MLD, ComponentLink1Description=http://www.farnell.com/datasheets/1722556.pdf?src-supplier=Element14, ComponentLink1URL=http://www.farnell.com/datasheets/1722556.pdf?src-supplier=Element14, Core Material=Ferrite, Manufacturer Part Number=SER1390-333MLD, MSL="MSL 1 - Unlimited", Pricing 1="1=2.66, 10=2.37, 50=2.13, 100=1.9, 200=1.76, 300=1.49, 900=1.4, 1800=1.28 (USD)", Product Range="COILCRAFT - SER1390 Series", Stock 1=434, Supplier 1=Mouser, SVHC="To Be Advised"